# Altium PCB PCB_Amplifier.PcbDoc (part 2 of 4)
Units mm, origin at the board's own origin, x right, y up, seen from the top; angles counter-clockwise.
Board outline 86.5 x 99 mm, 4 copper layers (Top Layer, GND, VDD, Bottom Layer); 211 components, 150 nets, 661 pads, 341 vias.
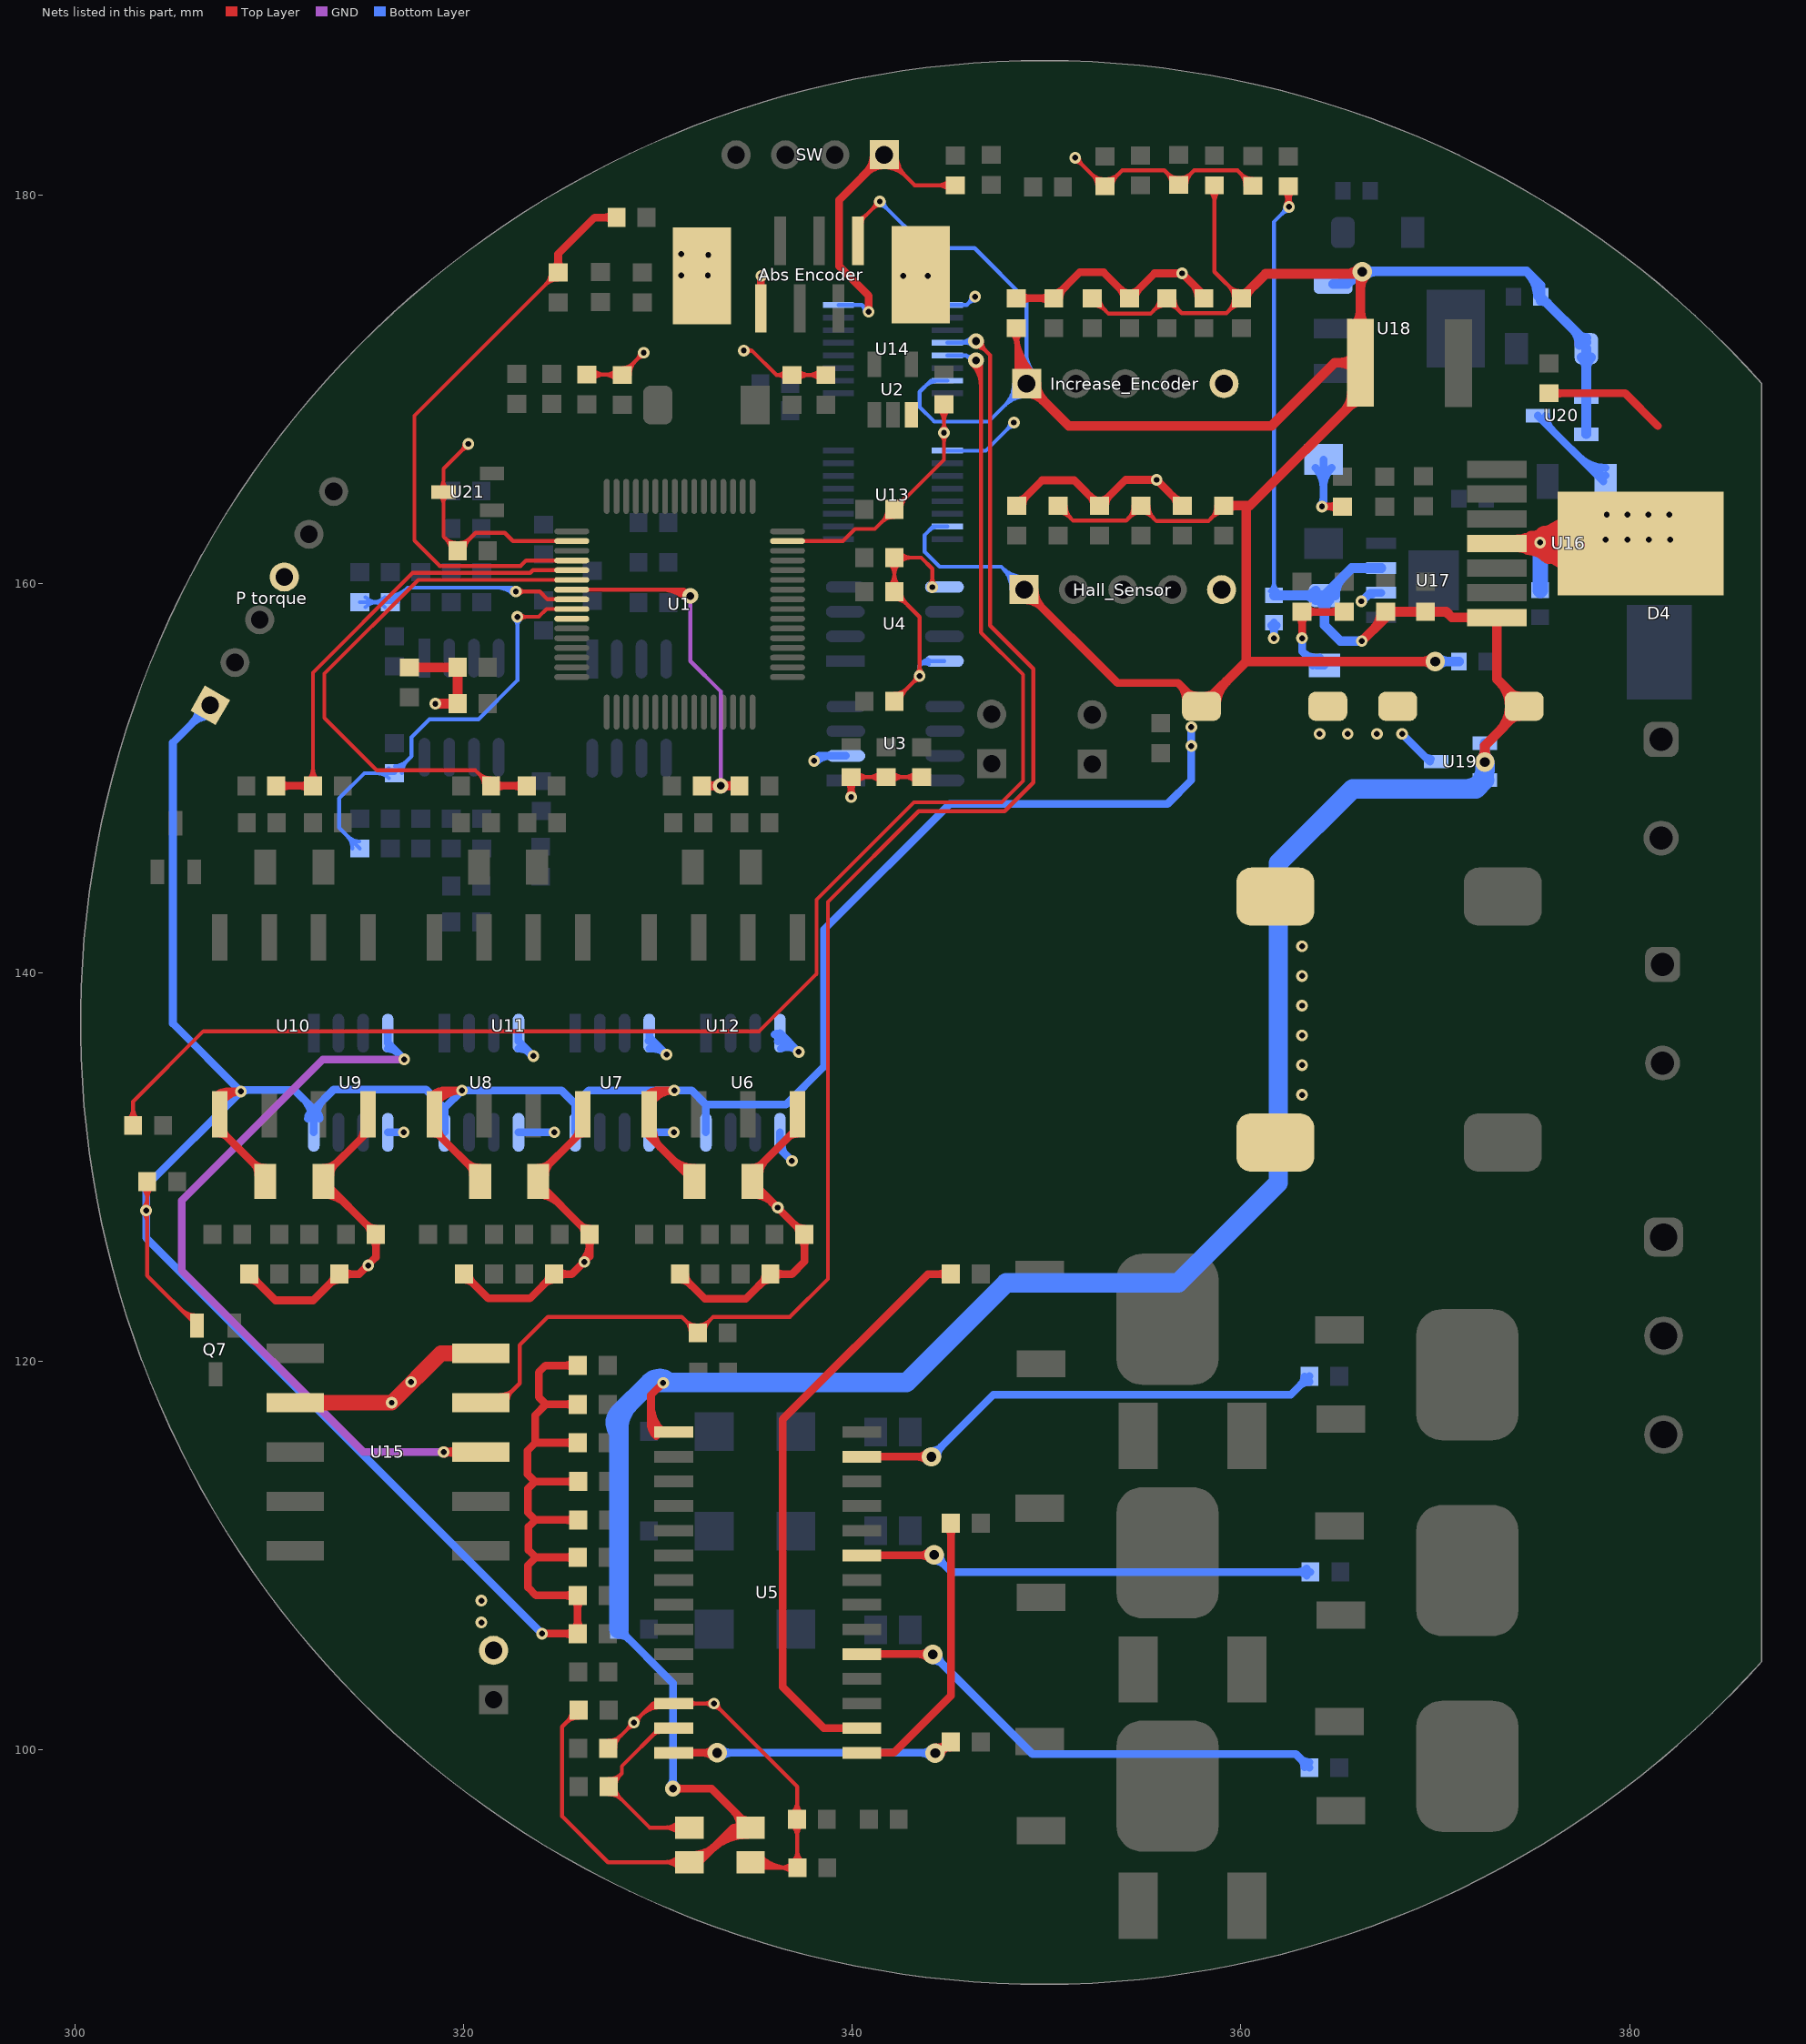
[diagram p4: the nets of this part, all layers, seen from the top]

## Via types
v1: diameter 0.6, hole 0.3, Top Layer to Bottom Layer, 223 vias
v2: diameter 1, hole 0.5, Top Layer to Bottom Layer, 58 vias
v3: diameter 0.8, hole 0.4, Top Layer to Bottom Layer, 52 vias
v4: diameter 3, hole 2.5, Top Layer to Bottom Layer, 7 vias
v5: diameter 0.8, hole 0.4, Top Layer to Bottom Layer, tented bottom, 1 vias

## Nets (pads, with @x,y where several pads share a name; then routed paths per layer and width w, separated by ;. In a path a pad name is that pad's centre, name@x,y a point inside that pad or via, vN(x,y) a via of type N, cw(c..) or ccw(c..) an arc to the next point about the centre after c; other vN are vias at no path point) (continued)
3V3_D_GND: C1.1 C2.1 C3.2 C4.2 C5.2 C6.1 C7.1 C8.1 C9.1 C10.1 C60.1 D8.K FE3.2 R1.1 R2.1 R3.2 R5.2 SW.1 U1.18 U1.63 U3.2 U4.5 U4.8 U6.4 U7.4 U8.4 U9.4 U14.8 U15.8 U21.3 | length 179.4
  Top Layer w0.2: U21.3@318.798,164.548 cw(c318.371,164.121) 318.975,164.121 cw(c319.579,164.121) U21.3@319.152,164.548 ; U21.3@318.798,164.902 ccw(c318.371,165.329) 318.975,165.329 ccw(c319.579,165.329) U21.3@319.152,164.902 ; 319.039,162.366 ccw(c319.705,163.032) 319.705,162.09 ccw(c319.705,163.032) 320.371,162.366 ; 319.1,162.305 cw(c318.519,161.725) C10.1@319.34,161.725 ; v1@320.05,167.2 cw(c319.567,167.2) 319.909,166.859 cw(c320.25,166.517) v1@320.25,167 ; C10.1@320.07,161.725 cw(c320.891,161.725) 320.31,162.305 ; v1(320.25,167.2) 318.975,165.925 U21.3@318.975,164.725 318.975,162.43 C10.1@319.705,161.7 320.63,162.625 322.125,162.625 322.55,162.2 U1.18@325.575,162.2 ; C3.2@326.35,170.77 328.15,170.77 v1(329.275,171.895) ; C3.2@326.633,170.512 cw(c327.256,169.889) 327.256,170.77 cw(c327.256,171.651) C3.2@326.633,171.028 ; 327.208,170.77 cw(c327.208,169.803) C4.2@327.892,170.487 ; 327.329,170.77 ccw(c327.329,171.566) C4.2@327.892,171.003 ; C4.2@328.2,171.11 ccw(c328.2,171.81) 328.695,171.315 ; C4.2@328.365,170.745 cw(c328.944,170.745) C4.2@328.535,171.155 ; C4.2@328.565,170.745 cw(c329.627,170.745) 328.876,171.496 ; v1@329.075,171.895 cw(c328.592,171.895) 328.934,171.554 cw(c329.275,171.212) v1@329.275,171.695 ; v1(334.425,172) 334.85,172 ; v1@334.579,171.873 cw(c334.85,171.648) 334.85,172 ; v1@334.579,172.127 ccw(c334.85,172.352) 334.85,172 ; C5.2@336.592,170.514 ccw(c336.105,170.115) 336.105,170.745 ; C5.2@336.592,170.976 cw(c336.105,171.375) 336.105,170.745 ; U1.63@336.675,162.2 339.525,162.2 340.15,162.825 341.17,162.825 C7.1@342.17,163.825 344.725,166.38 R2.1@344.725,169.23 ; C5.2@337.183,170.487 cw(c337.806,169.864) 337.806,170.745 cw(c337.806,171.626) C5.2@337.183,171.003 ; C6.1@338.367,170.487 ccw(c337.744,169.864) 337.744,170.745 ccw(c337.744,171.626) C6.1@338.367,171.003 ; C6.1@338.65,170.745 C5.2@336.9,170.745 336.105,170.745 ; C1.1@339.692,149.797 cw(c339.069,149.174) 339.95,149.174 cw(c340.831,149.174) C1.1@340.208,149.797 ; v1@339.783,149.135 ccw(c339.352,149.417) 339.849,149.55 ; v1@339.809,149.166 ccw(c339.467,149.508) 339.95,149.508 ccw(c340.433,149.508) v1@340.091,149.166 ; v1@339.85,149.198 ccw(c339.674,149.502) 340.014,149.412 ; 339.886,149.412 ccw(c340.226,149.502) v1@340.05,149.198 ; v1@339.95,149.125 C1.1@339.95,150.055 R5.2@343.575,150.055 ; 340.051,149.55 ccw(c340.548,149.417) v1@340.117,149.135 ; C1.1@340.233,149.797 cw(c340.856,149.174) 340.856,150.055 cw(c340.856,150.936) C1.1@340.233,150.313 ; C8.1@341.467,149.797 ccw(c340.844,149.174) 340.844,150.055 ccw(c340.844,150.936) C8.1@341.467,150.313 ; 341.504,163.159 cw(c342.17,162.493) C7.1@342.17,163.435 ; 341.565,163.22 ccw(c340.984,163.8) C7.1@341.805,163.8 ; SW.1@341.65,181.425 cw(c341.65,179.856) 342.76,180.965 cw(c343.869,182.075) SW.1@342.3,182.075 ; SW.1@341.65,181.625 cw(c341.65,180.539) 342.418,181.307 cw(c343.186,182.075) SW.1@342.1,182.075 ; SW.1@341.65,182.075 343.22,180.505 D8.K@345.3,180.505 ; C60.1@341.912,159.883 ccw(c341.289,160.506) 342.17,160.506 ccw(c343.051,160.506) C60.1@342.428,159.883 ; R1.1@341.912,161.067 cw(c341.289,160.444) 342.17,160.444 cw(c343.051,160.444) R1.1@342.428,161.067 ; C8.1@342.033,149.797 cw(c342.656,149.174) 342.656,150.055 cw(c342.656,150.936) C8.1@342.033,150.313 ; R3.2@342.17,153.95 v1(343.475,155.255) 343.475,158.295 C60.1@342.17,159.6 R1.1@342.17,161.35 343.55,161.35 344.125,160.775 v1@344.125,159.925 ; R3.2@342.17,154.34 ccw(c342.17,155.282) 342.836,154.616 ; C60.1@342.17,159.21 cw(c342.17,158.268) 342.836,158.934 ; C7.1@342.17,164.215 ccw(c342.17,165.157) 342.836,164.491 ; R1.1@342.428,161.092 cw(c343.051,160.469) 343.051,161.35 cw(c343.051,162.231) R1.1@342.428,161.608 ; R3.2@342.535,153.975 cw(c343.356,153.975) 342.775,154.555 ; C60.1@342.535,159.575 ccw(c343.356,159.575) 342.775,158.995 ; C7.1@342.535,163.85 cw(c343.356,163.85) 342.775,164.43 ; v1@343.275,155.255 cw(c342.792,155.255) 343.134,154.914 cw(c343.475,154.572) v1@343.475,155.055 ; R5.2@343.292,149.797 ccw(c342.669,149.174) 342.669,150.055 ccw(c342.669,150.936) R5.2@343.292,150.313 ; v1@343.334,155.396 ccw(c342.992,155.738) 343.475,155.738 ccw(c343.958,155.738) v1@343.616,155.396 ; v1@343.984,159.966 ccw(c343.642,160.308) 344.125,160.308 ccw(c344.608,160.308) v1@344.266,159.966 ; R2.1@344.467,168.972 cw(c343.844,168.349) 344.725,168.349 cw(c345.606,168.349) R2.1@344.983,168.972 ; v1@344.584,167.634 cw(c344.242,167.292) 344.725,167.292 cw(c345.208,167.292) v1@344.866,167.634 ; v1@344.584,167.916 ccw(c344.242,168.258) 344.725,168.258 ccw(c345.208,168.258) v1@344.866,167.916 ; D8.K@345.017,180.247 ccw(c344.394,179.624) 344.394,180.505 ccw(c344.394,181.386) D8.K@345.017,180.763 ; 334.85,172 336.105,170.745
  Top Layer w0.4: v1(318.98,115.32) U15.8@320.9,115.32 ; v1@319.03,115.233 cw(c319.25,114.852) 319.365,115.277 ; v1@319.03,115.407 ccw(c319.25,115.788) 319.365,115.363 ; U15.8@319.718,115.108 ccw(c319.206,114.596) 319.206,115.32 ccw(c319.206,116.044) U15.8@319.718,115.532 ; v1(340.85,174) 340.85,174.825 339.325,176.35 339.325,179.75 SW.1@341.65,182.075 ; SW.1@341.1,182.075 cw(c339.772,182.075) 340.711,181.136 cw(c341.65,180.197) SW.1@341.65,181.525
  Top Layer w0.5: FE3.2@317.225,155.695 319.7,155.695 319.7,153.83 v1(318.555,153.83) ; FE3.2@317.402,155.543 cw(c317.769,155.176) 317.769,155.695 cw(c317.769,156.214) FE3.2@317.402,155.847 ; 319.174,153.83 cw(c319.174,153.294) C9.1@319.553,153.673 ; 319.174,155.695 ccw(c319.174,156.231) C2.1@319.553,155.852 ; 319.198,153.83 ccw(c319.198,154.332) C9.1@319.553,153.977 ; 319.198,155.695 cw(c319.198,155.193) C2.1@319.553,155.548 ; C9.1@319.553,154.002 ccw(c319.198,154.357) 319.7,154.357 ; C2.1@319.553,155.523 cw(c319.198,155.168) 319.7,155.168 ; 319.7,154.381 ccw(c320.236,154.381) C9.1@319.857,154.002 ; 319.7,155.144 cw(c320.236,155.144) C2.1@319.857,155.523
  GND w0.4: v1(316.95,135.525) 312.775,135.525 305.5,128.25 305.5,124.675 314.855,115.32 v1(318.98,115.32)
  Bottom Layer w0.2: U14.8@339.3,174.35 340.5,174.35 v1(340.85,174) ; v1@340.65,174 ccw(c340.167,174) 340.509,174.341 ccw(c340.85,174.683) v1@340.85,174.2 ; v1@343.334,155.396 ccw(c342.992,155.738) 343.475,155.738 ccw(c343.958,155.738) v1@343.616,155.396 ; v1(343.475,155.255) 343.475,155.8 ; 343.654,155.979 cw(c343.881,155.751) U4.8@344.05,156.025 ; U4.8@343.878,155.923 ccw(c343.7,155.819) 343.7,156.025 ; U4.8@343.878,156.127 cw(c343.7,156.231) 343.7,156.025 ; U4.8@343.945,155.855 ccw(c343.745,155.53) 343.475,155.8 ; U4.8@344.75,156.025 343.7,156.025 ; 343.475,155.8 343.7,156.025
  Bottom Layer w0.4: U9.4@316.11,136.075 cw(c316.11,135.375) 316.605,135.87 ; U9.4@316.11,136.875 316.11,136.365 v1(316.95,135.525) ; U8.4@322.835,136.075 cw(c322.835,135.133) v1@323.501,135.799 ; U8.4@322.835,136.875 322.835,136.465 v1(323.6,135.7) ; 323.333,135.896 cw(c323.15,135.58) v1@323.503,135.674 ; U7.4@329.523,136.473 cw(c329.575,136.056) 329.872,136.353 ; U7.4@329.56,136.875 329.56,136.665 v1(330.45,135.775) ccw(c329.704,135.029) U7.4@329.572,136.076 ; U6.4@336.003,136.816 cw(c336.155,136.469) U6.4@336.423,136.737 ; U6.4@336.164,136.45 cw(c336.408,135.895) 336.837,136.323 ; U6.4@336.285,136.875 v1(337.25,135.91) ccw(c336.661,135.321) U6.4@336.325,136.083 ; v1(338.038,150.888) 338.295,151.145 U3.2@339.675,151.145 ; v1@338.108,150.817 cw(c338.901,150.024) U3.2@338.901,151.145
  other v1: 339.95,149.025 344.125,159.825 344.725,167.775
5V: "Abs Encoder.1" "P torque.1" C30.2 C40.2 C50.2 C61.2 C73.1 C74.1 C75.2 Hall_Sensor.1 Increase_Encoder.1 L1.1 Q7.2 R6.2 R7.2 R8.2 R9.2 R10.2 R11.2 R29.2 R30.2 R60.2 R61.2 R62.2 R63.2 R64.2 R65.2 R70.2 R75.2 R78.2 U6.8 U7.8 U8.8 U9.8 U10.1 U11.1 U12.1 U13.15 U14.15 U18.1 U20.1 U20.2 | length 446.4
  Top Layer w0.2: R70.2@303.472,128.942 cw(c302.849,128.319) 303.73,128.319 cw(c304.611,128.319) R70.2@303.988,128.942 ; v1@303.534,127.609 cw(c303.059,127.134) 303.73,127.134 ; v1@303.534,127.891 ccw(c303.059,128.366) 303.73,128.366 ; 303.73,127.4 cw(c304.025,127.4) v1@303.816,127.609 ; 303.73,128.1 ccw(c304.025,128.1) v1@303.816,127.891 ; R70.2@303.73,129.225 303.73,124.395 Q7.2@306.3,121.825 ; 305.404,122.721 ccw(c306.3,123.617) Q7.2@306.3,122.35 ; 305.745,122.38 ccw(c306.3,122.935) Q7.2@306.3,122.15 ; 340.3,177.65 340.3,178.55 v1(341.425,179.675) ; 340.3,178.8 ccw(c340.3,179.404) 340.727,178.977 ; 340.5,178.6 cw(c340.862,178.6) 340.606,178.856 ; v1@341.225,179.675 cw(c340.742,179.675) 341.084,179.334 cw(c341.425,178.992) v1@341.425,179.475 ; C61.2@348.192,172.897 cw(c347.569,172.274) 348.45,172.274 cw(c349.331,172.274) C61.2@348.708,172.897 ; Increase_Encoder.1@348.45,170.825 C61.2@348.45,173.155 ; 348.45,171.205 ccw(c349.88,171.205) Increase_Encoder.1@348.869,170.194 ; 348.45,171.688 ccw(c350.363,171.688) Increase_Encoder.1@349.01,170.335 ; 348.45,172.171 ccw(c350.846,172.171) Increase_Encoder.1@349.152,170.477 ; 348.45,172.654 ccw(c351.329,172.654) Increase_Encoder.1@349.293,170.618 ; C61.2@348.45,173.137 ccw(c351.812,173.137) Increase_Encoder.1@349.435,170.76 ; R60.2@350.605,164.02 351.375,163.25 354.095,163.25 R61.2@354.865,164.02 355.66,163.225 358.33,163.225 R62.2@359.125,164.02 ; R60.2@350.63,163.655 cw(c350.63,162.834) 351.21,163.415 ; R60.2@350.995,164.02 ccw(c351.937,164.02) 351.271,163.354 ; R63.2@352.375,174.33 cw(c352.375,173.376) 353.049,174.051 ; R63.2@352.387,174.713 353.2,173.9 355.35,173.9 356.162,174.713 356.95,173.925 359.255,173.925 R65.2@360.025,174.695 ; R63.2@352.74,174.695 ccw(c353.549,174.695) 352.977,174.123 ; 354.199,163.354 ccw(c353.533,164.02) R61.2@354.475,164.02 ; 354.26,163.415 cw(c354.84,162.834) R61.2@354.84,163.655 ; R61.2@354.89,163.655 cw(c354.89,162.834) 355.47,163.415 ; R61.2@355.255,164.02 ccw(c356.197,164.02) 355.531,163.354 ; 355.501,174.051 cw(c356.175,173.376) R64.2@356.175,174.33 ; 355.573,174.123 ccw(c355.001,174.695) R64.2@355.81,174.695 ; R64.2@356.225,174.33 cw(c356.225,173.557) 356.771,174.104 ; R64.2@356.39,174.695 ccw(c356.897,174.695) R64.2@356.538,174.337 ; R64.2@356.59,174.695 ccw(c357.58,174.695) 356.88,173.995 ; R78.2@358.381,180.247 cw(c357.758,179.624) 358.639,179.624 cw(c359.52,179.624) R78.2@358.897,180.247 ; 358.459,163.354 ccw(c357.793,164.02) R62.2@358.735,164.02 ; 358.52,163.415 cw(c359.1,162.834) R62.2@359.1,163.655 ; R78.2@358.639,180.505 358.639,176.061 R65.2@359.9,174.8 ; 359.359,174.029 ccw(c358.693,174.695) 359.635,174.695 ccw(c358.742,174.695) 359.373,175.327 ; 359.385,175.315 ccw(c360,175.929) R65.2@360,175.06 ; 359.42,174.09 cw(c360,173.509) R65.2@360,174.33
  Top Layer w0.4: U10.1@307.299,133.612 cw(c307.795,133.276) U10.1@307.795,133.875 ; U10.1@307.465,131.7 cw(c307.465,131.193) U10.1@307.823,131.552 ; U10.1@307.465,133.7 ccw(c307.465,134.267) 307.866,133.866 ; U10.1@307.631,133.388 cw(c308.55,132.764) v1(308.55,133.875) 307.875,133.875 307.465,133.465 U10.1@307.465,132.7 307.465,131.91 C30.2@309.81,129.565 ; U10.1@307.665,131.9 ccw(c308.124,131.9) U10.1@307.799,131.576 ; U10.1@307.665,133.5 cw(c308.063,133.5) U10.1@307.782,133.782 ; 309.153,130.222 ccw(c309.81,130.879) C30.2@309.81,129.95 ; 309.201,130.174 cw(c308.612,129.585) C30.2@309.445,129.585 ; U11.1@318.367,133.634 cw(c319.023,133.04) 319.023,133.925 ; U11.1@318.515,131.7 cw(c318.515,131.314) U11.1@318.788,131.587 ; U11.1@318.515,133.7 ccw(c318.515,134.147) U11.1@318.831,133.831 ; U11.1@318.663,133.366 cw(c319.925,132.222) v1(319.925,133.925) 318.925,133.925 318.515,133.515 U11.1@318.515,132.7 318.515,131.86 C40.2@320.86,129.515 ; U11.1@318.715,131.9 ccw(c319.294,131.9) 318.885,131.49 ; U11.1@318.715,133.5 cw(c319.234,133.5) U11.1@318.867,133.867 ; 320.117,130.258 ccw(c320.86,131) C40.2@320.86,129.95 ; 320.286,130.089 cw(c319.783,129.585) C40.2@320.495,129.585 ; v1(324.048,105.973) R30.2@325.88,105.973 R29.2@325.88,107.941 323.734,107.941 323.325,108.35 323.325,109.5 323.725,109.9 ; R30.2@325.693,105.785 ccw(c325.24,105.333) 325.24,105.973 ccw(c325.24,106.612) R30.2@325.693,106.16 ; R30.2@325.693,106.185 ccw(c325.24,106.637) 325.88,106.637 ccw(c326.52,106.637) R30.2@326.067,106.185 ; R29.2@325.693,107.729 cw(c325.24,107.276) 325.88,107.276 cw(c326.52,107.276) R29.2@326.067,107.729 ; R29.2@325.693,107.754 ccw(c325.24,107.301) 325.24,107.941 ccw(c325.24,108.581) R29.2@325.693,108.128 ; R8.2@325.693,109.713 ccw(c325.24,109.26) 325.24,109.9 ccw(c325.24,110.54) R8.2@325.693,110.087 ; R7.2@325.693,115.613 ccw(c325.24,115.16) 325.24,115.8 ccw(c325.24,116.44) R7.2@325.693,115.987 ; R6.2@325.693,117.588 ccw(c325.24,117.135) 325.24,117.775 ccw(c325.24,118.415) R6.2@325.693,117.962 ; R9.2@325.693,119.588 ccw(c325.24,119.135) 325.24,119.775 ccw(c325.24,120.415) R9.2@325.693,119.962 ; R11.2@325.718,111.638 ccw(c325.265,111.185) 325.265,111.825 ccw(c325.265,112.465) R11.2@325.718,112.012 ; R10.2@325.718,113.613 ccw(c325.265,113.16) 325.265,113.8 ccw(c325.265,114.44) R10.2@325.718,113.987 ; R8.2@325.88,109.9 323.725,109.9 ; R7.2@325.88,115.8 323.7,115.8 ; R6.2@325.88,117.775 324.25,117.775 ; R9.2@325.88,119.775 324.225,119.775 323.875,119.425 323.875,118.15 324.25,117.775 ; R11.2@325.905,111.825 323.7,111.825 ; R10.2@325.905,113.8 323.675,113.8 ; U12.1@329.408,133.623 cw(c330.028,133.137) 330.028,133.925 ; U12.1@329.565,133.7 ccw(c329.565,134.388) 330.052,133.902 ; U12.1@329.722,133.377 cw(c330.85,132.492) v1(330.85,133.925) 330.075,133.925 329.565,133.415 U12.1@329.565,132.7 329.565,131.57 C50.2@331.885,129.25 ; U12.1@329.765,131.9 ccw(c331.045,131.9) 330.14,130.995 ; 330.69,130.445 ccw(c331.885,131.64) C50.2@331.885,129.95 ; Hall_Sensor.1@348.85,159.15 cw(c348.85,157.822) 349.789,158.761 cw(c350.728,159.7) Hall_Sensor.1@349.4,159.7 ; Hall_Sensor.1@348.85,159.7 353.65,154.9 356.775,154.9 C73.1@357.975,153.7 ; 356.775,154.9 cw(c355.783,153.908) C73.1@357.178,153.758 ; 357.213,154.462 ccw(c357.725,154.974) C73.1@357.725,154.25 ; 323.675,113.8 323.325,113.45 323.325,112.2 323.7,111.825 ; 323.675,113.8 323.3,114.175 323.3,115.4 323.7,115.8 ; 323.7,111.825 323.35,111.475 323.35,110.275 323.725,109.9 ; 323.7,115.8 323.7,117.225 324.25,117.775
  Top Layer w0.5: Increase_Encoder.1@348.975,169.8 cw(c348.975,168.593) 349.829,169.446 cw(c350.682,170.3) Increase_Encoder.1@349.475,170.3 ; Increase_Encoder.1@348.975,170.3 351.15,168.125 361.575,168.125 364.825,171.375 L1.1@366.15,171.375 ; C73.1@357.975,153.7 360.275,156 ; C73.1@358.225,154.2 ccw(c358.225,154.804) C73.1@358.652,154.377 ; C73.1@358.725,153.7 cw(c360.536,153.7) 359.255,154.98 ; R62.2@359.125,164.02 360.47,164.02 366.15,169.7 L1.1@366.15,171.375 ; R62.2@359.302,163.868 cw(c359.669,163.501) 359.669,164.02 cw(c359.669,164.539) R62.2@359.302,164.172 ; R65.2@360.025,174.695 361.28,175.95 ; R65.2@360.05,174.91 ccw(c360.05,175.369) R65.2@360.374,175.044 ; R65.2@360.265,174.695 cw(c360.844,174.695) R65.2@360.435,175.105 ; 360.275,163.825 360.275,156 ; 361.275,175.95 366.15,175.95 L1.1@366.15,171.375 ; 365.293,168.843 ccw(c364.312,169.825) L1.1@365.7,169.825 ; 365.405,175.95 ccw(c365.405,176.895) v2@366.073,176.227 ; L1.1@365.595,169.145 cw(c366.15,168.59) L1.1@366.15,169.375 ; L1.1@365.832,171.057 ccw(c365.064,170.289) 365.064,171.375 ccw(c365.064,172.461) L1.1@365.832,171.693 ; L1.1@365.832,173.243 ccw(c365.064,174.011) 366.15,174.011 ccw(c367.236,174.011) L1.1@366.468,173.243 ; 366.15,175.205 cw(c367.095,175.205) v2@366.427,175.873 ; v2@369.823,155.823 ccw(c369.396,155.396) 369.396,156 ccw(c369.396,156.604) v2@369.823,156.177 ; v2(370,156) 360.275,156
  Bottom Layer w0.2: v1@341.425,179.475 cw(c341.425,178.992) 341.766,179.334 cw(c342.108,179.675) v1@341.625,179.675 ; v1(341.425,179.675) 343.825,177.275 346.3,177.275 348.975,174.6 Increase_Encoder.1@348.975,170.3 347.025,168.35 344.225,168.35 343.475,169.1 343.475,169.875 344.05,170.45 U14.15@344.9,170.45 ; 343.823,170.223 cw(c344.25,169.796) U14.15@344.25,170.4 ; 344.037,162.812 cw(c344.25,162.598) U13.15@344.25,162.9 ; U13.15@344.9,162.95 344.175,162.95 343.735,162.51 343.735,161.64 344.5,160.875 347.675,160.875 Hall_Sensor.1@348.85,159.7 ; Hall_Sensor.1@348.2,159.7 ccw(c346.631,159.7) 347.74,160.81 ccw(c348.85,161.919) Hall_Sensor.1@348.85,160.35 ; Increase_Encoder.1@348.325,170.3 cw(c346.756,170.3) 347.865,169.19 cw(c348.975,168.081) Increase_Encoder.1@348.975,169.65 ; Hall_Sensor.1@348.4,159.7 ccw(c347.314,159.7) 348.082,160.468 ccw(c348.85,161.236) Hall_Sensor.1@348.85,160.15 ; Increase_Encoder.1@348.515,170.76 ccw(c347.406,171.869) 348.975,171.869 ccw(c350.544,171.869) Increase_Encoder.1@349.435,170.76 ; Increase_Encoder.1@348.525,170.3 cw(c347.439,170.3) 348.207,169.532 cw(c348.975,168.764) Increase_Encoder.1@348.975,169.85 ; Increase_Encoder.1@348.657,170.618 ccw(c347.889,171.386) 348.975,171.386 ccw(c350.061,171.386) Increase_Encoder.1@349.293,170.618
  Bottom Layer w0.4: 306.425,153.75 cw(c305.097,153.75) 306.036,152.811 cw(c306.975,151.872) 306.975,153.2 ; 306.975,153.75 305.05,151.825 305.05,137.375 v1(308.55,133.875) ; v1@308.621,133.804 cw(c308.972,133.453) 308.972,133.95 ; 311.793,133.457 cw(c310.812,132.475) U9.8@312.2,132.475 ; U9.8@312,132.475 cw(c312.422,132.475) 312.124,132.774 ; U9.8@312.3,131.775 312.3,132.95 ; U9.8@312.4,132.475 cw(c313.788,132.475) 312.807,133.457 ; 312.476,132.774 cw(c312.178,132.475) 312.6,132.475 ; U8.8@319.025,131.775 319.025,133.025 ; v1(324.048,105.973) 303.675,126.345 v1(303.675,127.75) 303.675,129 v1(308.55,133.875) ; U7.8@325.75,131.775 325.75,133.225 ; U6.8@332.475,131.775 332.475,133.2 ; v1(357.45,152.625) 357.45,149.9 356.225,148.675 345.025,148.675 338.55,142.2 338.55,135.15 336.6,133.2 332.475,133.2 ; v1(308.55,133.875) 308.625,133.95 311.3,133.95 312.3,132.95 ; 312.3,132.95 313.325,133.975 318.075,133.975 319.025,133.025 ; 319.025,133.025 v1(319.925,133.925) 325.05,133.925 325.75,133.225 ; 325.75,133.225 326.45,133.925 v1(330.85,133.925) 331.75,133.925 332.475,133.2
  Bottom Layer w0.5: U18.1@364.75,175.425 365.475,175.425 v2@366.125,176.075 ; U18.1@365.25,175.675 ccw(c365.25,176.822) v2@366.061,176.011 ; U18.1@365.567,175.517 cw(c366.25,174.834) v2@366.25,175.8 ; U18.1@365.577,175.732 cw(c365.973,175.046) v2@366.183,175.809 ; v2@366.25,176.075 374.7,176.075 375.423,175.352 C75.2@375.423,174.775 C74.1@377.775,172.423 ; v2@366.427,175.873 cw(c366.914,175.386) 366.914,176.075 ; v2@366.427,176.227 ccw(c366.793,176.593) 366.793,176.075 ; v2(370,156) R75.2@371.225,156 ; v2@370.177,155.823 cw(c370.604,155.396) 370.604,156 cw(c370.604,156.604) v2@370.177,156.177 ; 374.794,175.981 cw(c373.639,174.825) C75.2@375.273,174.825 ; C75.2@375.423,174.575 cw(c375.423,174.092) C75.2@375.764,174.434 ; 377.09,173.108 cw(c376.282,172.3) C74.1@377.425,172.3 ; C74.1@377.388,172.81 ccw(c377.775,173.197) C74.1@377.775,172.65 ; C74.1@377.527,171.653 cw(c376.929,171.054) 377.775,171.054 ; U20.2@377.775,167.7 U20.1@377.775,169.6 C74.1@377.775,172.1 ; 377.775,171.056 cw(c378.619,171.056) C74.1@378.022,171.653